# Altium PCB Dust1_Motherboard_STM32WBA5MMG.PcbDoc (part 1 of 2) (continued)
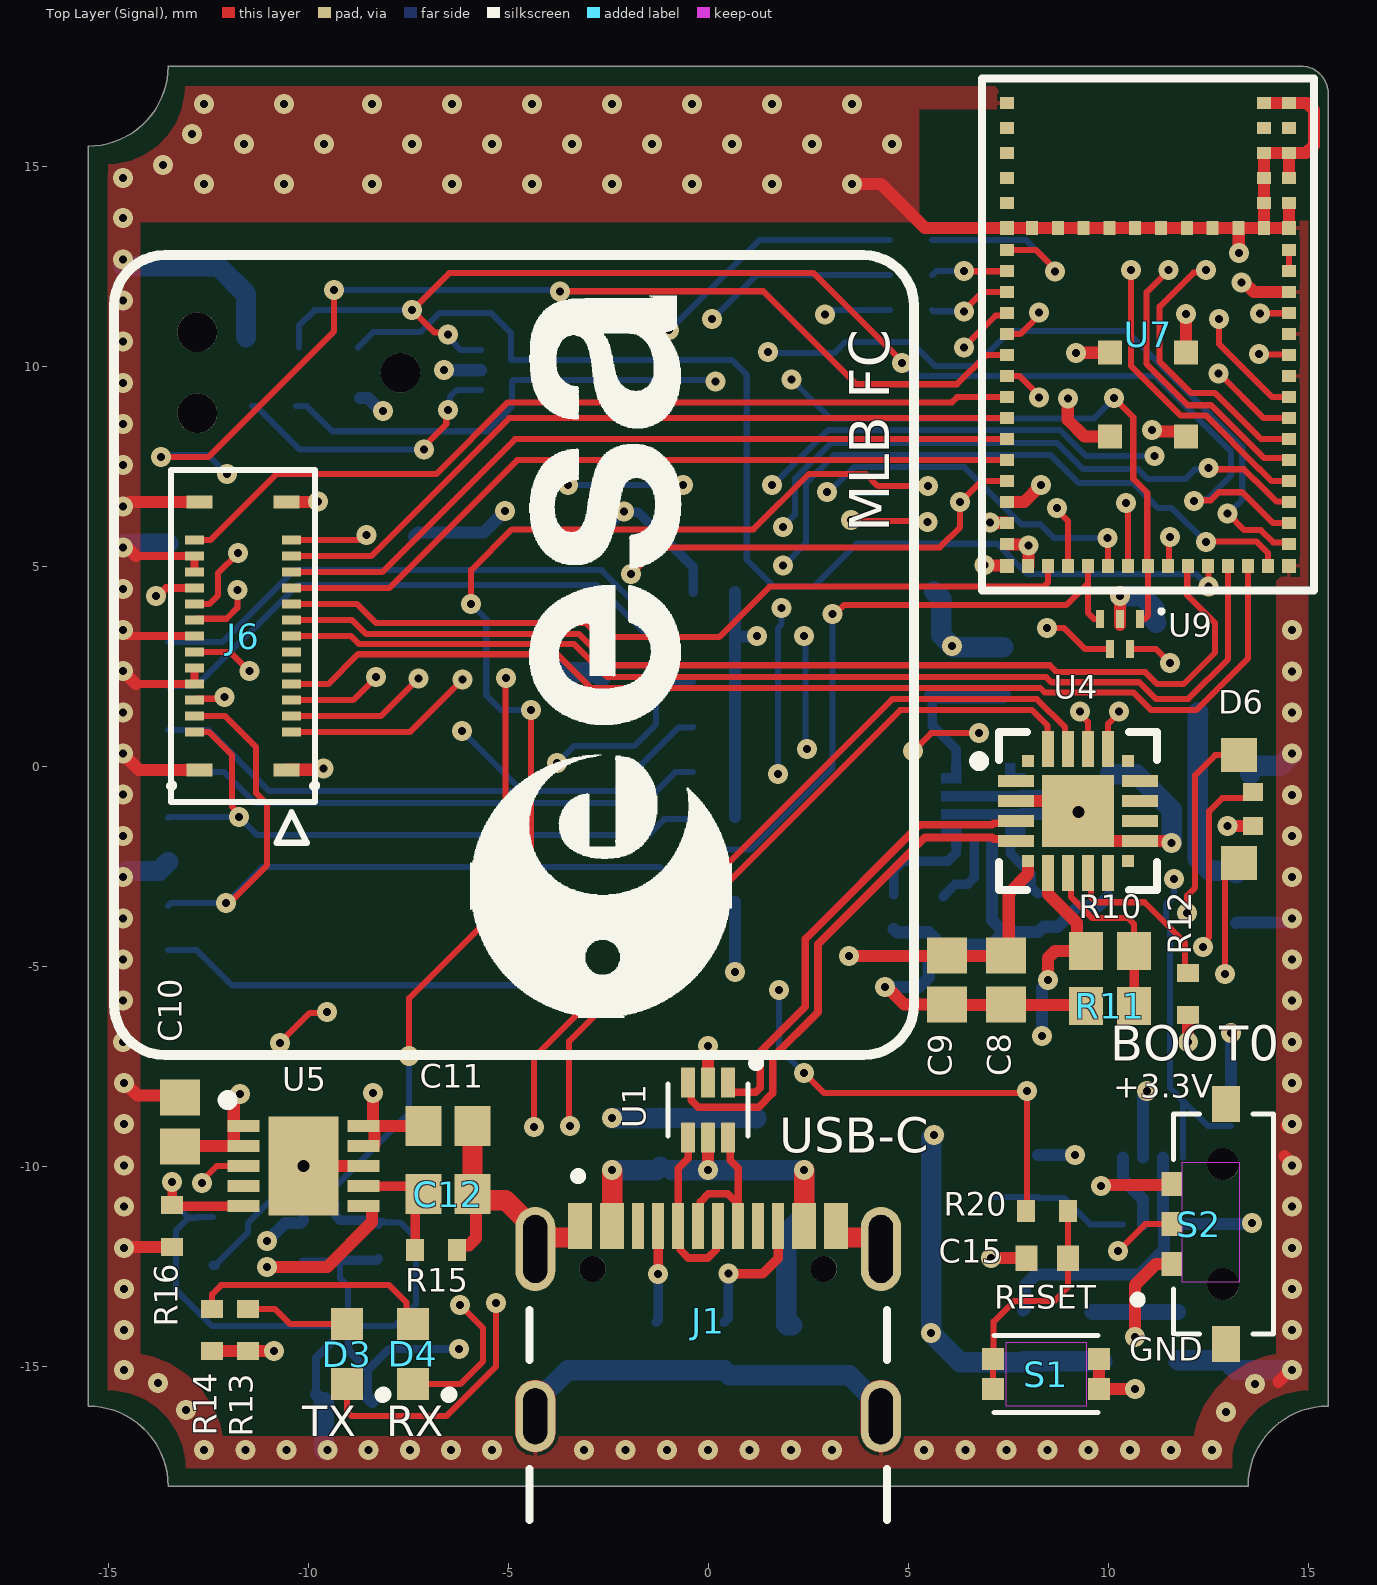
[diagram p0: Top Layer (Signal) view]
## Layer stack, top to bottom (continued)

## Board outline
-15.5,-16 -15.5,15.5 ccw(c-15.5,17.5) -13.5,17.5 14.817,17.5 cw(c14.817,16.817) 15.5,16.817 15.5,-16 ccw(c15.5,-18) 13.5,-18 -13.5,-18 ccw(c-15.5,-18)

## Design rules (kind name [scope] priority, off if disabled: settings)
BoardOutlineClearance [All] p1: gap=0.2 ignorepadtopadclearanceinfootprint=FALSE
Clearance [All] p1: gap=0.102 ignorepadtopadclearanceinfootprint=TRUE except(0.127: Arc-Via Track-Via SMDPad-Via THPad-Via Via-Via Via-Fill Via-Poly Via-Region Via-Text; 0.254: Arc-Hole Track-Hole SMDPad-Hole THPad-Hole Via-Hole Fill-Hole Poly-Hole Region-Hole Text-Hole)
ComponentClearance [All] p1: gap=0.089 collisioncheckmode=3 verticalgap=0.089 showdistances=TRUE
DiffPairsRouting DiffPairsRouting_1 [InDifferentialPairClass('USB')] p1: maxlimit=0.254 minlimit=0.127 mostfreqgap=0.254 toplayer_maxgap=0.127 toplayer_prefgap=0.127 toplayer_minwidth=0.192 toplayer_maxwidth=0.192 toplayer_prefwidth=0.192 bottomlayer_maxgap=0.127 bottomlayer_prefgap=0.127 bottomlayer_minwidth=0.192 bottomlayer_maxwidth=0.192 bottomlayer_prefwidth=0.192 impedanceprofiledriven=TRUE impedanceprofileid={B65A39AC-BC31-41D4-9D03-A3EBA3E43C95} impedanceprofilevalue=90.000000 maxuncoupledlength=12.7
DiffPairsRouting [All] p2: maxlimit=0.089 minlimit=0.089 mostfreqgap=0.089 toplayer_minwidth=0.089 toplayer_maxwidth=25.4 toplayer_prefwidth=0.089 midlayer1_minwidth=0.089 midlayer1_maxwidth=25.4 midlayer1_prefwidth=0.089 midlayer2_minwidth=0.089 midlayer2_maxwidth=25.4 midlayer2_prefwidth=0.089 midlayer3_minwidth=0.089 midlayer3_maxwidth=25.4 midlayer3_prefwidth=0.089 midlayer4_minwidth=0.089 midlayer4_maxwidth=25.4 midlayer4_prefwidth=0.089 bottomlayer_minwidth=0.089 bottomlayer_maxwidth=25.4 bottomlayer_prefwidth=0.089 maxuncoupledlength=12.7
Height [All] p1: minheight=0 maxheight=1816.048 prefheight=12.7
HoleSize [All] p1: absolutevalues=TRUE maxlimit=6.3 minlimit=0.2 maxpercent=80.000 minpercent=20.000
HoleToHoleClearance [All] p1: gap=0.254 allowstackedmicrovias=FALSE
MinimumAnnularRing [All] p1: minimumring=0.15
MinimumSolderMaskSliver [All] p1: minsoldermaskwidth=0.152
PlaneClearance [All] p1: clearance=0.089
PlaneConnect PlaneConnectPowerPads [InPadClass('PowerPads')] p1: planeconnectstyle=Direct reliefexpansion=0.508 reliefentries=4 reliefconductorwidth=0.254 reliefairgap=0.254
PlaneConnect [All] p2: pad.planeconnectstyle=Relief pad.reliefexpansion=0.3 pad.reliefentries=4 pad.reliefconductorwidth=0.089 pad.reliefairgap=0.089 via.planeconnectstyle=Direct via.reliefexpansion=0.3 via.reliefentries=4 via.reliefconductorwidth=0.127 via.reliefairgap=0.127
PolygonConnect PolygonConnectPowerPads [All vs (InPadClass('PowerPads'))] p1: connectstyle=Direct reliefconductorwidth=0.254 reliefentries=4 polygonreliefangle="90 Angle" airgapwidth=0.254
PolygonConnect [All] p2: thpad.connectstyle=Relief thpad.reliefconductorwidth=0.089 thpad.reliefentries=4 thpad.polygonreliefangle="90 Angle" thpad.airgapwidth=0.089 smdpad.connectstyle=Relief smdpad.reliefconductorwidth=0.089 smdpad.reliefentries=4 smdpad.polygonreliefangle="90 Angle" smdpad.airgapwidth=0.089 via.connectstyle=Direct via.reliefconductorwidth=0.127 via.reliefentries=4 via.polygonreliefangle="90 Angle" via.airgapwidth=0.127
RoutingVias [All] p1: holewidth=0.2 width=0.45 viastyle="Through Hole" minholewidth=0.2 minwidth=0.45 maxholewidth=6.3 maxwidth=6.55
SilkToSilkClearance [All] p1: silktosilkclearance=0.127
SilkToSolderMaskClearance [IsPad] p1: minsilkscreentomaskgap=0.127 clearancetoexposedcopper=TRUE
SolderMaskExpansion [All] p1: expansion=0.051 istentingtop=FALSE
SupplyNets "Schematic Supply Nets_6" [InNet('+5V_MUX')] p1: voltage=0.000
SupplyNets "Schematic Supply Nets_5" [InNet('+5V_USB')] p2: voltage=0.000
SupplyNets "Schematic Supply Nets_4" [InNet('GND')] p3: voltage=0.000
SupplyNets "Schematic Supply Nets_3" [InNet('+3.3V_Sensor')] p4: voltage=0.000
SupplyNets "Schematic Supply Nets_2" [InNet('+5V EXT')] p5: voltage=0.000
SupplyNets "Schematic Supply Nets_1" [InNet('+5V EXT_1')] p6: voltage=0.000
SupplyNets "Schematic Supply Nets" [InNet('+3.3V_Layer')] p7: voltage=0.000
UnRoutedNet [All] p1: checkbadconnections=TRUE
Width Power_12mil [InNetClass('Power')] p1: maxlimit=25.4 minlimit=0.305 preferedwidth=0.305 minimp=50.000000 maximp=50.000000 favimp=50.000000
Width Power_20mil [InNetClass('Power')] p2: maxlimit=25.4 minlimit=0.508 preferedwidth=0.508 minimp=50.000000 maximp=50.000000 favimp=50.000000
Width Width_6mil [InNetClass('Signal')] p3: maxlimit=25.4 minlimit=0.152 preferedwidth=0.152 minimp=50.000000 maximp=50.000000 favimp=50.000000
Width Width_3.5mil [InNetClass('Power')] p4: maxlimit=25.4 minlimit=0.089 preferedwidth=0.089 minimp=50.000000 maximp=50.000000 favimp=50.000000
19 further rules are at their usual default settings.

## Classes and differential pairs
differential pair class USB: USB USB1
net class Signal: BOOT0 DCC_Counter DCC_SEL Enable_3.3V_Sensor HFb1 HFb2 ILIM LT3045_IOUT MUX_STATUS NetC5_1 NetC6_1 NetC7_1 NetC12_2 NetC14_1 NetC15_2 NetD3_1 NetD3_2 NetD4_1 NetD4_2 NetD6_1 NetD6_3 NetD6_4 NetJ1_A5 NetJ1_B5 NetJ4_1 NetJ4_4 NetJ4_8 NetJ6_5 NetJ6_6 NetR3_2 NetR5_1 NetR6_2 NetR10_2 NetR12_1 NetU4_17 NetU4_18 NetU7_50 NRST OUT_D OUT_N OUT_P RESET_ch_read RESET_DCC S0ck S1 S2 S3 S4 SD_CARD_DETECT SEL SPI3_CS_DT SPI3_CS_SD SPI3_MISO SPI3_MOSI SPI3_SCK SYS_JTCK-SWCLK SYS_JTDO_SWO SYS_JTMS-SWDIO TIM3_CH1 TIM3_CH2 TIM3_CH3
net class Power: +3.3V_Layer +3.3V_Sensor "+5V EXT" "+5V EXT_1" +5V_Filtered +5V_MUX +5V_USB GND
component class U_Dust1_MotherBoard_PWR: C1 C2 C3 C4 C5 C6 C7 C8 C9 C10 C11 C12 C13 C14 D1 D2 D3 D4 J1 J2 L1 R1 R2 R3 R4 R5 R6 R7 R8 R9 R10 R11 R12 R13 R14 R15 R16 R17 R18 R19 U1 U2 U3 U4 U5 U6
component class U_Dust1_Motherboard_Peripheral: J4 R24 R25 R26 R27 R28 R29 R30 R31 U9
component class U_Dust1_MotherBoard_MCU: C15 D6 J3 J? R20 R21 R22 R23 S1 S2 U7 U8
component class U_Dust1_Motherboard_BTB: J6
differential pair USB: +USB_P -USB_N
differential pair USB1: +USB1_P -USB1_N

## Components (designator, comment, footprint, x,y, rotation, side; value= is the part's Value field where it differs from the comment)
C1 "4.7µF" CAP_0603 -1.2,-9.4 r270 bottom
C2 "100nF" CAP_0603 1.2,-9.41 r270 bottom
C3 "4.7μF" CAP_0603 10,-3.875 r270 bottom
C4 "4.7μF" CAP_0603 5.035,4.375 r180 bottom
C5 "2.2nF" CAP_0402 8.25,-3.625 r270 bottom
C6 "2.2nF" CAP_0402 4.638,-3.64 r270 bottom
C7 "10µF" CAP_0603 9.6,-14.25 r270 bottom
C8 "4.7µF" CAP_0603 7.45,-5.35 r90 top
C9 "100nF" CAP_0603 5.975,-5.35 r90 top
C10 "4.7µF" CAP_0603 -13.2,-8.9 r270 top
C11 "10µF" CAP_0603 -6.5,-9 r0 top
C12 "4.7µF" CAP_0603 -6.5,-10.7 r180 top
C13 "4.7µF" CAP_0603 -9,-15.9 r0 bottom
C14 "3pF" CAP_0402 -8.15,-11.875 r90 bottom
C15 "2.2nF" CAP_0402 8.475,-12.3 r0 top
D1 "ESDA7P60-1U1M" TVS_ESDA7P60-1U1M 2.1,-14.6 r270 bottom
D2 "ESDA7P60-1U1M" TVS_ESDA7P60-1U1M 13.2,-3.3 r270 bottom
D3 "LTST-C190KRKT" LTST-C191KRKT_V -9.025,-14.7 r270 top
D4 "LTST-C190KRKT" LTST-C191KRKT_V -7.375,-14.7 r270 top
D6 "XZCCBDMEDGK161W" PCBComponent_1 13.392,-1.077 r0 top
J1 "USB4105GFA060" GCT_USB4105GFA060 0,-16.25 r0 top
J2 "BM02B-ACHSS-GAN-TF(LF)(SN)" JST_BM02B-ACHSS-GAN-TF(LF)(SN) 11.8,1.7 r180 bottom
J3 "TC2030-IDC-NL" TAG_TC2030-IDC-NL -10.23,9.835 r180 bottom
J4 "1040310811" 1040310811 -8.2,0 r90 bottom
J6 "5024262630" CON_5024262630_MOL -11.625,3.25 r90 top
L1 "10uH" IND_0603 7.875,-14.25 r270 bottom
R1 "5.1k" RES_0603 -1.3,-14.5 r270 bottom
R2 "5.1k" RES_0603 0.4,-14.5 r90 bottom
R3 "470kΩ" RES_0603 5,1.75 r0 bottom
R4 "274kΩ" RES_0603 7.375,2.375 r90 bottom
R5 "6.8kΩ" RES_0603 5.875,-3.86 r270 bottom
R6 "100k" RES_0402 7.125,-10.25 r270 bottom
R7 "100k" RES_0402 8.25,-10.25 r90 bottom
R8 "100k" RES_0402 13.075,-8.475 r90 bottom
R9 "2Ω" RES_0603 11.75,-14.25 r90 bottom
R10 "21k" RES_0603 10.05,-4.625 r0 top
R11 "47.5k" RES_0603 10.05,-6 r180 top
R12 "1k" RES_0402 12,-5.7 r270 top
R13 "1k" RES_0402 -11.5,-14.1 r270 top
R14 "1k" RES_0402 -12.4,-14.1 r270 top
R15 "33.2kΩ" RES_0402 -6.8,-12.1 r0 top
R16 "3kΩ" RES_0402 -13.4,-11.5 r270 top
R17 "90kΩ" RES_0402 -9.205,-11.875 r270 bottom
R18 "10kΩ" RES_0402 -10.125,-11.875 r90 bottom
R19 "0Ω" RES_0603 -12.375,-11.875 r270 bottom
R20 "330Ω" RES_0402 8.475,-11.125 r180 top
R21 "1kΩ" RES_0402 5.075,11.4 r180 bottom
R22 "1kΩ" RES_0402 5.075,12.275 r180 bottom
R23 "1kΩ" RES_0402 5.075,13.15 r180 bottom
R24 "100kΩ" RES_0402 0.15,3.225 r0 bottom
R25 "10Ω" RES_0402 0.15,-0.15 r0 bottom
R26 "100kΩ" RES_0402 0.15,-4.4 r0 bottom
R27 "100kΩ" RES_0402 0.15,4.35 r0 bottom
R28 "10kΩ" RES_0402 0.15,2.1 r180 bottom
R29 "0Ω DNP" RES_0402 0.15,-1.275 r180 bottom
R30 "10kΩ" RES_0402 0.15,-3.35 r180 bottom
R31 "10kΩ" RES_0402 0.15,0.975 r180 bottom
S1 "EVP-BB2A9B000" SW_EVP-BB2A9B000 8.45,-15.2 r180 top
S2 "SSAJ110100" SW_SSAJ110100 12.875,-11.45 r90 top
U1 "USBLC6-2P6" SOT50P160X60-6N 0,-8.6 r270 top
U2 "TPS2117DRLR" SOTFL50P160X60-8N 11.125,-10.625 r90 bottom
U3 "TPS25210ARPWR" TPS259460ARPWR_TEX 6.875,-0.975 r270 bottom
U4 "CP2102N-A02-GQFN20" FP-CP2102N-A02-GQFN20-MFG 9.25,-1.125 r0 top
U5 "LT3045IDD#PBF" SON50P300X300X80-11N-D -10.11,-10 r0 top
U6 "MAX44264EWT+T" BGA6C40P2X3_91X131X69 -9,-14.2 r270 bottom
U7 "STM32WBA5MMG" LGA76_stm32wba5mmg_C50P9X9_800X1250X137 11,10.79 r0 top
U8 "HSP053-4M5" HSP0534M5 -5.3,9.9 r90 bottom
U9 "HSP053-4M5" HSP0534M5 10.3,3.3 r180 top

## Footprints (in the part's own frame and the unit in brackets; to place one, negate y for a bottom-side part, rotate by r counter-clockwise, add the part's x,y. Pads: shape width x height; smd on the part's side, far side on the other; paste and mask are expansions set on the pad)
1040310811 [mm]
  rect 0.85x1.1 smd: 1(3.105,-5.3) 2(2.005,-5.3) 3(0.905,-5.3) 4(-0.195,-5.3) 5(-1.295,-5.3) 6(-2.395,-5.3) 7(-3.495,-5.3)
  rect 0.75x1.1 smd: 8(-4.595,-5.3)
  rect 1.2x1 smd: CD1(5.74,4.55) CD2(5.74,0.85)
  rect 1.55x1.35 smd: G1(5.565,-5.3)
  rect 1.17x1.8 smd: G2(-5.755,-5.3)
  rect 1.9x1.35 smd: G3(-3.73,5.525) G4(2.24,5.525)
  silkscreen extent -6,-6.5 5.97,5.85, body extent -5.97,-5.7 5.98,5.7, height 1.42
BGA6C40P2X3_91X131X69 [mm]
  round 0.216 smd: A1(-0.2,0.4) A2(0.2,0.4) B1(-0.2,0) B2(0.2,0) C1(-0.2,-0.4) C2(0.2,-0.4)
  silkscreen extent -0.85,0.9 -0.65,1.1, body extent -0.45,-0.66 0.45,0.66, height 0.69
CAP_0402 [mm] "Chip Capacitor, 2-Leads, Body 1.00x0.50mm, IPC Medium Density"
  rect 0.55x0.64 smd: 1(-0.52,0) 2(0.52,0)
  body extent -0.53,-0.28 0.53,0.28, height 0.4
CAP_0603 [mm] "Chip Capacitor, 2-Leads, Body 1.55x0.85mm, IPC Medium Density"
  rect 0.9x1 smd: 1(-0.61,0) 2(0.61,0)
  body extent -0.82,-0.48 0.82,0.48, height 0.5
CON_5024262630_MOL [mm]
  rect 0.22x0.475 smd paste+0 mask+0.025: 1(-2.4,-1.212) 2(-2,-1.212) 3(-1.6,-1.212) 4(-1.2,-1.212) 5(-0.8,-1.212) 6(-0.4,-1.212) 7(0,-1.212) 8(0.4,-1.212) 9(0.8,-1.212) 10(1.2,-1.212) 11(1.6,-1.212) 12(2,-1.212) 13(2.4,-1.212) 14(-2.4,1.212) 15(-2,1.212) 16(-1.6,1.212) 17(-1.2,1.212) 18(-0.8,1.212) 19(-0.4,1.212) 20(0,1.212) 21(0.4,1.212) 22(0.8,1.212) 23(1.2,1.212) 24(1.6,1.212) 25(2,1.212) 26(2.4,1.212)
  rect 0.32x0.65 smd paste+0 mask+0.025: P1(-3.35,1.085) P2(3.35,1.085) P3(-3.35,-1.085) P4(3.35,-1.085)
  silkscreen extent -5.17,-1.8 4.15,1.8, body extent -4.15,-2 4.15,2, height 0.98
FP-CP2102N-A02-GQFN20-MFG [mm]
  rect 0.3x0.3 smd paste+0 mask+0: 1(-1.25,1.25) 6(-1.25,-1.25) 11(1.25,-1.25) 16(1.25,1.25)
  rect 0.9x0.3 smd paste+0 mask+0: 2(-1.55,0.75) 3(-1.55,0.25) 4(-1.55,-0.25) 5(-1.55,-0.75) 12(1.55,-0.75) 13(1.55,-0.25) 14(1.55,0.25) 15(1.55,0.75)
  rect 0.3x0.9 smd paste+0 mask+0: 7(-0.75,-1.55) 8(-0.25,-1.55) 9(0.25,-1.55) 10(0.75,-1.55) 17(0.75,1.55) 18(0.25,1.55) 19(-0.25,1.55) 20(-0.75,1.55)
  rect 1.8x1.8 smd paste-1000 mask+0: 21(0,0)
  silkscreen extent -2.6,-1.97 1.97,1.97, body extent -2.1,-2.1 2.1,2.1, height 0.25
GCT_USB4105GFA060 [mm]
  rect 0.6x1.15 smd: A1_B12(-3.2,4.755) A4_B9(-2.4,4.755) B1_A12(3.2,4.755) B4_A9(2.4,4.755)
  rect 0.3x1.15 smd: A5(-1.25,4.755) A6(-0.25,4.755) A7(0.25,4.755) A8(1.25,4.755) B5(1.75,4.755) B6(0.75,4.755) B7(-0.75,4.755) B8(-1.75,4.755)
  oval 1x2.1 hole 0.6 slot 1.7 at 90 deg: SH1(-4.32,4.18) SH2(4.32,4.18)
  oval 1x1.8 hole 0.6 slot 1.4 at 90 deg mask+0: SH3(-4.32,0) SH4(4.32,0)
  round 0.65 hole 0.65 unplated: ""(-2.89,3.68) ""(2.89,3.68)
  Top Layer (Signal) region: -4.294,0.899 -4.268,0.897 -4.242,0.894 -4.216,0.889 -4.191,0.883 -4.165,0.876 -4.141,0.867 -4.117,0.857 -4.093,0.846 -4.07,0.833 -4.048,0.819 -4.026,0.805 -4.005,0.789 -3.985,0.772 -3.966,0.754 -3.948,0.735 -3.931,0.715 -3.915,0.694 -3.901,0.672 -3.887,0.65 -3.874,0.627 -3.863,0.603 -3.853,0.579 -3.844,0.555 -3.837,0.529 -3.831,0.504 -3.826,0.478 -3.823,0.452 -3.821,0.426 -3.82,0.4 -3.82,0 -3.82,-0.4 -3.821,-0.426 -3.823,-0.452 -3.826,-0.478 -3.831,-0.504 -3.837,-0.529 -3.844,-0.555 -3.853,-0.579 -3.863,-0.603 -3.874,-0.627 -3.887,-0.65 -3.901,-0.672 -3.915,-0.694 -3.931,-0.715 -3.948,-0.735 -3.966,-0.754 -3.985,-0.772 -4.005,-0.789 -4.026,-0.805 -4.048,-0.819 -4.07,-0.833 -4.093,-0.846 -4.117,-0.857 -4.141,-0.867 -4.165,-0.876 -4.191,-0.883 -4.216,-0.889 -4.242,-0.894 -4.268,-0.897 -4.294,-0.899 -4.32,-0.9 -4.346,-0.899 -4.372,-0.897 -4.398,-0.894 -4.424,-0.889 -4.449,-0.883 -4.475,-0.876 -4.499,-0.867 -4.523,-0.857 -4.547,-0.846 -4.57,-0.833 -4.592,-0.819 -4.614,-0.805 -4.635,-0.789 -4.655,-0.772 -4.674,-0.754 -4.692,-0.735 -4.709,-0.715 -4.725,-0.694 -4.739,-0.672 -4.753,-0.65 -4.766,-0.627 -4.777,-0.603 -4.787,-0.579 -4.796,-0.555 -4.803,-0.529 -4.809,-0.504 -4.814,-0.478 -4.817,-0.452 -4.819,-0.426 -4.82,-0.4 -4.82,0 -4.82,0.4 -4.819,0.426 -4.817,0.452 -4.814,0.478 -4.809,0.504 -4.803,0.529 -4.796,0.555 -4.787,0.579 -4.777,0.603 -4.766,0.627 -4.753,0.65 -4.739,0.672 -4.725,0.694 -4.709,0.715 -4.692,0.735 -4.674,0.754 -4.655,0.772 -4.635,0.789 -4.614,0.805 -4.592,0.819 -4.57,0.833 -4.547,0.846 -4.523,0.857 -4.499,0.867 -4.475,0.876 -4.449,0.883 -4.424,0.889 -4.398,0.894 -4.372,0.897 -4.346,0.899 -4.32,0.9
  Top Layer (Signal) region: 4.346,0.899 4.372,0.897 4.398,0.894 4.424,0.889 4.449,0.883 4.475,0.876 4.499,0.867 4.523,0.857 4.547,0.846 4.57,0.833 4.592,0.819 4.614,0.805 4.635,0.789 4.655,0.772 4.674,0.754 4.692,0.735 4.709,0.715 4.725,0.694 4.739,0.672 4.753,0.65 4.766,0.627 4.777,0.603 4.787,0.579 4.796,0.555 4.803,0.529 4.809,0.504 4.814,0.478 4.817,0.452 4.819,0.426 4.82,0.4 4.82,0 4.82,-0.4 4.819,-0.426 4.817,-0.452 4.814,-0.478 4.809,-0.504 4.803,-0.529 4.796,-0.555 4.787,-0.579 4.777,-0.603 4.766,-0.627 4.753,-0.65 4.739,-0.672 4.725,-0.694 4.709,-0.715 4.692,-0.735 4.674,-0.754 4.655,-0.772 4.635,-0.789 4.614,-0.805 4.592,-0.819 4.57,-0.833 4.547,-0.846 4.523,-0.857 4.499,-0.867 4.475,-0.876 4.449,-0.883 4.424,-0.889 4.398,-0.894 4.372,-0.897 4.346,-0.899 4.32,-0.9 4.294,-0.899 4.268,-0.897 4.242,-0.894 4.216,-0.889 4.191,-0.883 4.165,-0.876 4.141,-0.867 4.117,-0.857 4.093,-0.846 4.07,-0.833 4.048,-0.819 4.026,-0.805 4.005,-0.789 3.985,-0.772 3.966,-0.754 3.948,-0.735 3.931,-0.715 3.915,-0.694 3.901,-0.672 3.887,-0.65 3.874,-0.627 3.863,-0.603 3.853,-0.579 3.844,-0.555 3.837,-0.529 3.831,-0.504 3.826,-0.478 3.823,-0.452 3.821,-0.426 3.82,-0.4 3.82,0 3.82,0.4 3.821,0.426 3.823,0.452 3.826,0.478 3.831,0.504 3.837,0.529 3.844,0.555 3.853,0.579 3.863,0.603 3.874,0.627 3.887,0.65 3.901,0.672 3.915,0.694 3.931,0.715 3.948,0.735 3.966,0.754 3.985,0.772 4.005,0.789 4.026,0.805 4.048,0.819 4.07,0.833 4.093,0.846 4.117,0.857 4.141,0.867 4.165,0.876 4.191,0.883 4.216,0.889 4.242,0.894 4.268,0.897 4.294,0.899 4.32,0.9
  Bottom Layer (Signal) region: -4.294,0.899 -4.268,0.897 -4.242,0.894 -4.216,0.889 -4.191,0.883 -4.165,0.876 -4.141,0.867 -4.117,0.857 -4.093,0.846 -4.07,0.833 -4.048,0.819 -4.026,0.805 -4.005,0.789 -3.985,0.772 -3.966,0.754 -3.948,0.735 -3.931,0.715 -3.915,0.694 -3.901,0.672 -3.887,0.65 -3.874,0.627 -3.863,0.603 -3.853,0.579 -3.844,0.555 -3.837,0.529 -3.831,0.504 -3.826,0.478 -3.823,0.452 -3.821,0.426 -3.82,0.4 -3.82,0 -3.82,-0.4 -3.821,-0.426 -3.823,-0.452 -3.826,-0.478 -3.831,-0.504 -3.837,-0.529 -3.844,-0.555 -3.853,-0.579 -3.863,-0.603 -3.874,-0.627 -3.887,-0.65 -3.901,-0.672 -3.915,-0.694 -3.931,-0.715 -3.948,-0.735 -3.966,-0.754 -3.985,-0.772 -4.005,-0.789 -4.026,-0.805 -4.048,-0.819 -4.07,-0.833 -4.093,-0.846 -4.117,-0.857 -4.141,-0.867 -4.165,-0.876 -4.191,-0.883 -4.216,-0.889 -4.242,-0.894 -4.268,-0.897 -4.294,-0.899 -4.32,-0.9 -4.346,-0.899 -4.372,-0.897 -4.398,-0.894 -4.424,-0.889 -4.449,-0.883 -4.475,-0.876 -4.499,-0.867 -4.523,-0.857 -4.547,-0.846 -4.57,-0.833 -4.592,-0.819 -4.614,-0.805 -4.635,-0.789 -4.655,-0.772 -4.674,-0.754 -4.692,-0.735 -4.709,-0.715 -4.725,-0.694 -4.739,-0.672 -4.753,-0.65 -4.766,-0.627 -4.777,-0.603 -4.787,-0.579 -4.796,-0.555 -4.803,-0.529 -4.809,-0.504 -4.814,-0.478 -4.817,-0.452 -4.819,-0.426 -4.82,-0.4 -4.82,0 -4.82,0.4 -4.819,0.426 -4.817,0.452 -4.814,0.478 -4.809,0.504 -4.803,0.529 -4.796,0.555 -4.787,0.579 -4.777,0.603 -4.766,0.627 -4.753,0.65 -4.739,0.672 -4.725,0.694 -4.709,0.715 -4.692,0.735 -4.674,0.754 -4.655,0.772 -4.635,0.789 -4.614,0.805 -4.592,0.819 -4.57,0.833 -4.547,0.846 -4.523,0.857 -4.499,0.867 -4.475,0.876 -4.449,0.883 -4.424,0.889 -4.398,0.894 -4.372,0.897 -4.346,0.899 -4.32,0.9
  Bottom Layer (Signal) region: 4.346,0.899 4.372,0.897 4.398,0.894 4.424,0.889 4.449,0.883 4.475,0.876 4.499,0.867 4.523,0.857 4.547,0.846 4.57,0.833 4.592,0.819 4.614,0.805 4.635,0.789 4.655,0.772 4.674,0.754 4.692,0.735 4.709,0.715 4.725,0.694 4.739,0.672 4.753,0.65 4.766,0.627 4.777,0.603 4.787,0.579 4.796,0.555 4.803,0.529 4.809,0.504 4.814,0.478 4.817,0.452 4.819,0.426 4.82,0.4 4.82,0 4.82,-0.4 4.819,-0.426 4.817,-0.452 4.814,-0.478 4.809,-0.504 4.803,-0.529 4.796,-0.555 4.787,-0.579 4.777,-0.603 4.766,-0.627 4.753,-0.65 4.739,-0.672 4.725,-0.694 4.709,-0.715 4.692,-0.735 4.674,-0.754 4.655,-0.772 4.635,-0.789 4.614,-0.805 4.592,-0.819 4.57,-0.833 4.547,-0.846 4.523,-0.857 4.499,-0.867 4.475,-0.876 4.449,-0.883 4.424,-0.889 4.398,-0.894 4.372,-0.897 4.346,-0.899 4.32,-0.9 4.294,-0.899 4.268,-0.897 4.242,-0.894 4.216,-0.889 4.191,-0.883 4.165,-0.876 4.141,-0.867 4.117,-0.857 4.093,-0.846 4.07,-0.833 4.048,-0.819 4.026,-0.805 4.005,-0.789 3.985,-0.772 3.966,-0.754 3.948,-0.735 3.931,-0.715 3.915,-0.694 3.901,-0.672 3.887,-0.65 3.874,-0.627 3.863,-0.603 3.853,-0.579 3.844,-0.555 3.837,-0.529 3.831,-0.504 3.826,-0.478 3.823,-0.452 3.821,-0.426 3.82,-0.4 3.82,0 3.82,0.4 3.821,0.426 3.823,0.452 3.826,0.478 3.831,0.504 3.837,0.529 3.844,0.555 3.853,0.579 3.863,0.603 3.874,0.627 3.887,0.65 3.901,0.672 3.915,0.694 3.931,0.715 3.948,0.735 3.966,0.754 3.985,0.772 4.005,0.789 4.026,0.805 4.048,0.819 4.07,0.833 4.093,0.846 4.117,0.857 4.141,0.867 4.165,0.876 4.191,0.883 4.216,0.889 4.242,0.894 4.268,0.897 4.294,0.899 4.32,0.9
  silkscreen extent -4.47,-2.6 4.47,6.1, body extent -4.47,-2.6 4.47,5.11, height 3.31
HSP0534M5 [mm]
  rect 0.2x0.45 smd: 1(-0.5,-0.375) 2(0,-0.375) 3(0.5,-0.375) 4(0.25,0.375) 5(-0.25,0.375)
  silkscreen extent -1.08,-0.62 -0.98,-0.52, body extent -0.65,-0.58 0.65,0.58, height 0.5
IND_0603 [mm] "Chip Inductor, 2-Leads, Body 1.55x0.85mm, IPC Medium Density"
  rect 0.83x0.99 smd: 1(-0.64,0) 2(0.64,0)
  body extent -0.82,-0.48 0.82,0.48, height 0.5
JST_BM02B-ACHSS-GAN-TF(LF)(SN) [mm]
  rect 0.6x0.85 smd: 1(-0.6,1.887) 2(0.6,1.887)
  rect 0.7x0.8 smd: S1(-1.75,-1.887) S2(1.75,-1.887)
  silkscreen extent -2.1,-2.15 2.1,2.7, body extent -2.1,-2.15 2.1,2.15, height 1.45
LGA76_stm32wba5mmg_C50P9X9_800X1250X137 [mm] "LGA, 76-Leads, Body 8.00x12.50mmx1.37mm, Pitch 0.50mm"
  rect 0.35x0.3 smd mask+0.04: 1(-3.525,5.785) 2(-3.525,5.16) 3(-3.525,4.535) 4(-3.525,3.91) 5(-3.525,3.285) 7(-3.525,2.11) 8(-3.525,1.585) 9(-3.525,1.06) 10(-3.525,0.535) 11(-3.525,0.01) 12(-3.525,-0.515) 13(-3.525,-1.04) 14(-3.525,-1.565) 15(-3.525,-2.09) 16(-3.525,-2.615) 17(-3.525,-3.14) 18(-3.525,-3.665) 19(-3.525,-4.19) 20(-3.525,-4.715) 21(-3.525,-5.24) 37(3.525,-5.24) 38(3.525,-4.715) 39(3.525,-4.19) 40(3.525,-3.665) 41(3.525,-3.14) 42(3.525,-2.615) 43(3.525,-2.09) 44(3.525,-1.565) 45(3.525,-1.04) 46(3.525,-0.515) 47(3.525,0.01) 48(3.525,0.535) 49(3.525,1.06) 50(3.525,1.585) 51(3.525,2.11) 53(3.525,3.285) 54(3.525,3.91) 55(3.525,4.535) 56(3.525,5.16) 57(3.525,5.785) 58(2.9,5.785) 59(2.9,5.16) 60(2.9,4.535) 61(2.9,3.91) 62(2.9,3.285)
  rect 0.35x0.35 smd mask+0.04: 6(-3.525,2.66) 22(-3.525,-5.79) 36(3.525,-5.79) 52(3.525,2.66)
  rect 0.3x0.35 smd mask+0.04: 23(-3,-5.79) 24(-2.5,-5.79) 25(-2,-5.79) 26(-1.5,-5.79) 27(-1,-5.79) 28(-0.5,-5.79) 29(0,-5.79) 30(0.5,-5.79) 31(1,-5.79) 32(1.5,-5.79) 33(2,-5.79) 34(2.5,-5.79) 35(3,-5.79) 63(2.9,2.66) 64(2.256,2.66) 65(1.611,2.66) 66(0.967,2.66) 67(0.322,2.66) 68(-0.322,2.66) 69(-0.967,2.66) 70(-1.611,2.66) 71(-2.256,2.66) 72(-2.9,2.66)
  rect 0.6x0.6 smd mask+0.04: 73(-0.95,-0.45) 74(-0.95,-2.55) 75(0.95,-2.55) 76(0.95,-0.45)
  silkscreen extent -4.15,-6.4 4.15,6.4, body extent -4,-6.25 4,6.25, height 1.41
LTST-C191KRKT_V [mm] "SMD, 2-Leads, Body 1.6x0.8mm"
  rect 0.8x0.8 smd: 1(-0.75,0) 2(0.75,0)
  silkscreen extent 1.01,0.89 1.02,0.91, body extent -0.8,-0.4 0.8,0.4, height 0.9
PCBComponent_1 [mm]
  rect 0.9x0.85 smd: 1(-0.117,-1.348) 4(-0.117,1.352)
  rect 0.5x0.45 smd: 2(0.233,-0.423) 3(0.233,0.427)
RES_0402 [mm] "Chip Resistor, 2-Leads, Body 1.00x0.50mm, IPC Medium Density"
  rect 0.45x0.55 smd: 1(-0.525,0) 2(0.525,0)
  body extent -0.5,-0.25 0.5,0.25, height 0.3
RES_0603 [mm] "Chip Resistor, 2-Leads, Body 1.55x0.85mm, IPC Medium Density"
  rect 0.85x0.95 smd: 1(-0.6,0) 2(0.6,0)
  body extent -0.82,-0.48 0.82,0.48, height 0.5
SON50P300X300X80-11N-D [mm]
  rect 0.8x0.3 smd: 1(-1.5,1) 2(-1.5,0.5) 3(-1.5,0) 4(-1.5,-0.5) 5(-1.5,-1) 6(1.5,-1) 7(1.5,-0.5) 8(1.5,0) 9(1.5,0.5) 10(1.5,1)
  rect 1.75x2.48 smd: 11(0,0)
  silkscreen extent -2.02,1.53 -1.77,1.77, body extent -1.55,-1.5 1.55,1.5, height 0.8
SOT50P160X60-6N [mm]
  rrect8% 0.75x0.35 smd: 1(-0.69,0.5) 2(-0.69,0) 3(-0.69,-0.5) 4(0.69,-0.5) 5(0.69,0) 6(0.69,0.5)
  silkscreen extent -1.27,-1 0.65,1.3, body extent -0.8,-0.8 0.8,0.8, height 0.6
SOTFL50P160X60-8N [mm]
  rect 0.475x0.3 smd: 1(-0.838,0.75) 2(-0.838,0.25) 3(-0.838,-0.25) 4(-0.838,-0.75) 5(0.838,-0.75) 6(0.838,-0.25) 7(0.838,0.25) 8(0.838,0.75)
  silkscreen extent -0.81,-1.05 0.25,1.58, body extent -0.8,-1.05 0.8,1.05, height 0.6
SW_EVP-BB2A9B000 [mm]
  rect 0.55x0.55 smd paste-0.05: A1(-1.325,0.375) A2(-1.325,-0.375) B1(1.325,0.375) B2(1.325,-0.375)
  Top Layer (Signal) keep-out region: 1,-0.802 -1.002,-0.802 -1.002,0.8 1,0.8
  silkscreen extent -1.3,-0.96 1.3,0.96, body extent -1.5,-0.9 1.5,0.9, height 0.63
SW_SSAJ110100 [mm]
  rect 0.6x0.51 smd: 1(-1,1.28) 2(1,1.28) C(0,1.28)
  rect 0.9x0.7 smd: S1(3,-0.075) S2(-3,-0.075)
  round 0.8 hole 0.8 unplated: ""(-1.5,0) ""(1.5,0)
  Top Layer (Signal) keep-out region: 1.55,-0.4 -1.453,-0.4 -1.453,1.025 1.55,1.025
  silkscreen extent -2.75,-1.25 2.75,2.23, body extent -3.25,-2.55 3.25,1.43, height 0.7
TAG_TC2030-IDC-NL [mil]
  round 30.98 smd paste-39.37: 1(-50,-25) 2(-50,25) 3(0,-25) 4(0,25) 5(50,-25) 6(50,25)
  round 39.02 hole 39.02 unplated: ""(-100,0) ""(100,-40) ""(100,40)
  Top Layer (Signal) keep-out region: 50,-16.73 -50.06,-16.73 -50.06,16.73 50,16.73
  silkscreen extent -135,-80 135,75
TPS259460ARPWR_TEX [mil]
  rect 5x5 smd paste-2.5 mask-2.5: 1(-37.49,26.57) 4(-37.49,-26.57) 5(-8.86,-37.49) 6(8.86,-37.49) 7(37.49,-26.57) 10(37.49,26.57)
  rect 31.68x9.81 smd paste+0 mask+0: 2(-37.49,8.86) 3(-37.49,-8.86) 8(37.49,-8.86) 9(37.49,8.86)
  Top Layer (Signal) region: -13.76,-41.34 -13.76,41.34 -3.95,41.34 -3.95,-41.34
  Top Layer (Signal) region: 3.95,-41.34 3.95,41.34 13.76,41.34 13.76,-41.34
  Top Layer (Signal) region: -31.48,31.46 -41.34,31.46 -41.34,21.65 -21.67,21.65 -21.67,41.32 -31.48,41.32
  Top Layer (Signal) region: 41.34,21.65 41.34,21.65 41.34,31.46 31.48,31.46 31.48,41.32 21.67,41.32 21.67,21.65
  Top Layer (Signal) region: -31.48,-31.46 -31.48,-41.34 -21.67,-41.32 -21.67,-21.65 -41.34,-21.65 -41.34,-31.46
  Top Layer (Signal) region: 31.48,-31.46 31.48,-41.32 21.67,-41.32 21.67,-21.65 41.34,-21.65 41.34,-31.46
  silkscreen extent -62,57 -58,61, body extent -39,-39 40,40, height 39
TVS_ESDA7P60-1U1M [mm]
  rect 0.55x0.8 smd: 1(-0.625,0) 2(0.625,0)
  silkscreen extent -1.6,-0.5 0.03,0.5, body extent -0.8,-0.5 0.8,0.5, height 0.6

## Part data
C1 C2 C3 C4 C7 C8 C9 C10 C11 C12 C13: library part CMP-001-00100-1, Design Item ID=CAP_0603, Source=CAP_0603.SchLib
C5 C6 C14 C15: library part CMP-001-00099-2, "Generic 0402 Capacitor", Design Item ID=CAP_0402, Source=CAP_0402.SchLib
D1 D2: library part CMP-004-00038-2, Case/Package=None, Availability=Unavailable, Component Type=Standard, Design Item ID=ESDA7P60-1U1M, MF="{'manufacturer': u'STMicroelectronics'}", MP=ESDA7P60-1U1M, Pins=2, Price=None, Source=ESDA7P60-1U1M.SchLib
D3 D4: library part CMP-007-00024-2, "LED Uni-Color Red, 62.5 mW, 25 mA, -30 to 85 degC, 2-Pin SMD, RoHS, Tape and Reel", Case/Package=0603, Colour=Red, Forward Current=20mA, Forward Voltage=2V, Manufacturer=Lite-On, Max Operating Temperature=85°C, Min Operating Temperature=-55°C, Package Description="2-Pin Surface Mount Device, Body 1.6 x 0.8 mm", Package Quantity=3000, Package Reference=C191KRKT, Power=75mW, Datasheet URL=http://optoelectronics.liteon.com/upload/download/DS-22-99-0151/S_110_LTST-C190KRKT.pdf, Datasheet Version="Rev. F, 05/2013", Illumination Colour=Red, Lens Style=Diffused, Luminous Intensity=54mcd, Manufacturer URL=http://www.us.liteon.com/, Mounting Technology=SM, Nominal Vf=2V, Packaging=TapeandReel, Pins=2, RoHS Compliant=True, Viewing Angle=130degrees
D6: library part CMP-007-00036-1, Design Item ID=XZCCBDMEDGK161W, Source=XZCCBDMEDGK161W.SchLib
J1: library part CMP-002-00087-2, "USB-C (USB TYPE-C) USB 2.0 Receptacle Connector 24 (16+8 Dummy) Position Surface Mount, Right Angle; Through Hole", Case/Package=None, Check_prices=https://www.snapeda.com/parts/USB4105GFA060/Global+Connector+Technology/view-part/?ref=eda, Component Type=Standard, Design Item ID=USB4105GFA060, MF="Global Connector Technology", MP=USB4105GFA060, Pins=16, SnapEDA_Link=https://www.snapeda.com/parts/USB4105GFA060/Global+Connector+Technology/view-part/?ref=snap, Source=USB4105GFA060.SchLib
J2: library part CMP-002-00091-1, "Connector Header Surface Mount, Right Angle 2 position 0.047 (1.20mm)", Case/Package=None, Check_prices=https://www.snapeda.com/parts/BM02B-ACHSS-GAN-TF(LF)(SN)/JST/view-part/?ref=eda, Component Type=Standard, Design Item ID=BM02B-ACHSS-GAN-TF(LF)(SN), MF="JST Sales", MP=BM02B-ACHSS-GAN-TF(LF)(SN), Pins=4, SnapEDA_Link=https://www.snapeda.com/parts/BM02B-ACHSS-GAN-TF(LF)(SN)/JST/view-part/?ref=snap, Source=BM02B-ACHSS-GAN-TF(LF)(SN).SchLib
J3: library part CMP-00019-5, "CABLE ADAPTER 6 POS", Package=None, Availability=Unavailable, Component Type=Standard, Design Item ID=TC2030-IDC-NL, MP=TC2030-IDC-NL, Pin Count=6, Price=None, Source=TC2030-IDC-NL.SchLib
J4: library part CMP-002-00092-2, "1.10mm Pitch microSD Memory Card Connector, Surface Mount, Push-Pull Type, 1.42mm Height, with Detect Switch", Manufacturer_Name=Molex, Arrow Part Number=1040310811, Arrow Price/Stock=https://www.arrow.com/en/products/1040310811/molex?utm_currency=USD&region=europe, Datasheet Link=https://www.molex.com/en-us/products/part-detail-pdf/1040310811?display=pdf, Design Item ID=1040310811, Geometry.Height=1.77mm, Manufacturer_Part_Number=1040310811, Source=1040310811.SchLib
J6: library part CMP-125-000000-4, "SlimStack Board-to-Board Receptacle, 0.40mm Pitch, Surface Mount, Dual Row, Vertical, 1.00mm Stacking Height, with Solder Tabs, with Vacuum Tape, 26 Circuits", Manufacturer_Name="Molex Connector Corporation", Copyright="Copyright (C) 2025 Ultra Librarian. All rights reserved.", Design Item ID=5024262630, Manufacturer_Part_Number=5024262630, RefDes=RefDes, Source=5024262630.SchLib, Type=Type
L1: library part CMP-006-00026-1, "Generic 0603 Inductor", Design Item ID=IND_0603, Source=IND_0603.SchLib
R1 R2 R3 R4 R5 R9 R10 R11 R19: library part CMP-009-00186-1, Design Item ID=RES_0603, Source=RES_0603.SchLib
R6 R7 R8 R12 R13 R14 R15 R16 R17 R18 R20 R21 R22 R23 R24 R25 R26 R27 R28 R29 R30 R31: library part CMP-009-00192-1, "Resistor SMD 0402 Generic", Design Item ID=RES_0402, Source=RES_0402.SchLib
S1: library part CMP-011-00022-2, "Tactile Switch SPST-NO Top Actuated Surface Mount", Case/Package=None, Check_prices=https://www.snapeda.com/parts/EVP-BB2A9B000/Panasonic+Electronic+Components/view-part/?ref=eda, Component Type=Standard, Design Item ID=EVP-BB2A9B000, MF="Panasonic Electronic Components", MP=EVP-BB2A9B000, Pins=4, SnapEDA_Link=https://www.snapeda.com/parts/EVP-BB2A9B000/Panasonic+Electronic+Components/view-part/?ref=snap, Source=EVP-BB2A9B000.SchLib
S2: library part CMP-011-00025-3, "Slide Switch â€¢ Rating (max.): 10 mA 5 VDC â€¢ Poles: 1 â€¢ Positions: 2 â€¢ Travel : 1.4 mm â€¢ Operating direction: Horizontal", Case/Package=None, Availability="In Stock", Check_prices=https://www.snapeda.com/parts/SSAJ110100/ALPS/view-part/?ref=eda, Component Type=Standard, Design Item ID=SSAJ110100, MF=ALPS, MP=SSAJ110100, Pins=3, Price=None, Purchase-URL=https://pricing.snapeda.com/search/part/SSAJ110100/?ref=eda, SnapEDA_Link=https://www.snapeda.com/parts/SSAJ110100/ALPS/view-part/?ref=snap, Source=SSAJ110100.SchLib
U1: library part CMP-004-00037-4, "17V Clamp 5A (8/20Âµs) Ipp Tvs Diode Surface Mount SOT-666", Case/Package="SOT-666 STMicroelectronics", Check_prices=https://www.snapeda.com/parts/USBLC6-2P6/STMicroelectronics/view-part/?ref=eda, Component Type=Standard, Design Item ID=USBLC6-2P6, MF=STMicroelectronics, MP=USBLC6-2P6, Pins=6, SnapEDA_Link=https://www.snapeda.com/parts/USBLC6-2P6/STMicroelectronics/view-part/?ref=snap, Source=USBLC6-2P6.SchLib
U2: library part CMP-011-00021-5, "Power Switch ICs - Power Distribution 1.6-V to 5.5-V, 20-m?, 4-A low IQ power multiplexer with manual and priority switchover 8-SOT-5X3 -40 to 125", Manufacturer_Name="Texas Instruments", Mouser Part Number=595-TPS2117DRLR, Datasheet Link=https://www.ti.com/lit/ds/symlink/tps2117.pdf?ts=1704705133749&ref_url=https%253A%252F%252Fwww.ti.com%252Fproduct%252FTPS2117, Design Item ID=TPS2117DRLR, Geometry.Height=0.6mm, Manufacturer_Part_Number=TPS2117DRLR, Mouser Price/Stock=https://www.mouser.co.uk/ProductDetail/Texas-Instruments/TPS2117DRLR?qs=HoCaDK9Nz5c%2FKe5lpCPPWQ%3D%3D, Source=TPS2117DRLR.SchLib
U3: library part CMP-122-000000-5, "2.7-V to 5.7-V, 31-mâ„", Manufacturer_Name="Texas Instruments", Copyright="Copyright (C) 2025 Ultra Librarian. All rights reserved.", Design Item ID=TPS25210ARPWR, Manufacturer_Part_Number=TPS25210ARPWR, RefDes=RefDes, Source=TPS25210ARPWR.SchLib, Type=Type
U4: library part CMP-08093-000006-1, "IC USB TO UART BRIDGE QFN20"
U5: library part CMP-111-000001-2, "Linear Technology LT3045IDD#PBF, LDO Regulator, 500mA Adjustable, 0  15 V, +/-1% 10-Pin, DFN", Manufacturer_Name="Analog Devices", Mouser Part Number=584-LT3045IDD#PBF, Arrow Part Number=LT3045IDD#PBF, Arrow Price/Stock=https://www.arrow.com/en/products/lt3045iddpbf/analog-devices?utm_currency=USD&region=nac, Datasheet Link=https://www.analog.com/media/en/technical-documentation/data-sheets/3045fa.pdf, Design Item ID=LT3045IDD#PBF, Geometry.Height=0.8mm, Manufacturer_Part_Number=LT3045IDD#PBF, Mouser Price/Stock=https://www.mouser.co.uk/ProductDetail/Analog-Devices/LT3045IDDPBF?qs=oahfZPh6IAL0HQTYgxXgGA%3D%3D, Source=LT3045IDD#PBF.SchLib
U6: library part CMP-014-00013-4, "MAXIM INTEGRATED PRODUCTS - MAX44264EWT+T - Operational Amplifier, RRIO, 1 Amplifier, 9 kHz, 2 V/ms, 1.8V to 5.5V, WLP, 6 Pins", Manufacturer_Name="Analog Devices", Mouser Part Number=700-MAX44264EWT+T, Datasheet Link=http://datasheets.maximintegrated.com/en/ds/MAX44264.pdf, Design Item ID=MAX44264EWT+T, Geometry.Height=0.69mm, Manufacturer_Part_Number=MAX44264EWT+T, Mouser Price/Stock=https://www.mouser.co.uk/ProductDetail/Analog-Devices-Maxim-Integrated/MAX44264EWT%2bT?qs=tT6YvvQkxsyLGbMOGQ483A%3D%3D, Source=MAX44264EWT+T.SchLib
U7: library part CMP-00014-5, "Bluetooth LE and IEEE 802.15.4 radio module"
U8 U9: library part CMP-004-00039-6, "Clamp Ipp Tvs Diode Surface Mount 5-uQFN (1.3x0.8)", Manufacturer_Name=STMicroelectronics, Mouser Part Number=511-HSP053-4M5, Datasheet Link=https://www.st.com/resource/en/datasheet/hsp051-4m5.pdf, Design Item ID=HSP053-4M5, Geometry.Height=0.4mm, Manufacturer_Part_Number=HSP053-4M5, Mouser Price/Stock=https://www.mouser.co.uk/ProductDetail/STMicroelectronics/HSP053-4M5?qs=lYGu3FyN48c0CphNYEE2iw%3D%3D, Source=HSP053-4M5.SchLib

## Via types
v1: diameter 0.5, hole 0.2, Top Layer (Signal) to Bottom Layer (Signal), tented both sides, 251 vias
v2: diameter 0.7, hole 0.3, Top Layer (Signal) to Bottom Layer (Signal), tented bottom, 2 vias
v3: diameter 0.5, hole 0.2, Top Layer (Signal) to Bottom Layer (Signal), tented bottom, 1 vias

## Nets (pads, with @x,y where several pads share a name; then routed paths per layer and width w, separated by ;. In a path a pad name is that pad's centre, name@x,y a point inside that pad or via, vN(x,y) a via of type N, cw(c..) or ccw(c..) an arc to the next point about the centre after c; other vN are vias at no path point)
+3.3V_Layer: C8.2 C9.2 C13.2 D6.2 J3.1 R8.2 R12.2 R13.2 R14.2 R24.2 R25.2 R26.2 R27.2 R28.1 R29.1 R30.1 R31.1 S2.2 U4.6 U6.B2 U7.20 U7.22 | length 26.1
  Top Layer (Signal) w0.305: R14.2@-12.4,-14.625 R13.2@-11.5,-14.625 v1(-10.85,-14.625) ; v1@3.525,-4.75 C9.2@6.225,-4.75 ; C9.2@6.225,-4.75 C8.2@7.2,-4.75 ; v1(6.904,5.025) 6.916,5.012 7.463,5.012 U7.22@7.475,5 ; v1(7.041,6.09) 7.048,6.082 7.468,6.082 U7.20@7.475,6.075 ; C8.2@7.325,-4.74 7.515,-4.55 7.515,-3.185 8,-2.7 U4.6@8,-2.375 ; v1(9.825,-10.5) 9.85,-10.475 11.57,-10.475 S2.2@11.595,-10.45 ; v1(12,-6.9) R12.2@12,-6.225 ; v1(12.979,-1.5) D6.2@13.625,-1.5
  Bottom Layer (Signal) w0.2: U6.B2@-8.987,-14.413 -8.987,-14.613 -8.5,-15.1 ; C13.2@-8.5,-15.79 -8.5,-15.1 ; v1(-6.225,-14.575) -7.975,-14.575 -8.5,-15.1
  Bottom Layer (Signal) w0.305: J3.1@-8.7,9.2 -8.503,9.2 -8.178,8.875 v1(-8.125,8.875) ; C13.2@-8.5,-15.79 C13.2@-8.39,-15.9 ; v1(0.675,-5.15) R26.2@0.675,-4.4 R30.1@0.675,-3.4 ; R29.1@0.675,-1.275 R25.2@0.675,-0.15 R31.1@0.675,0.975 R28.1@0.675,2.1 R24.2@0.675,3.225 ; R27.2@0.675,4.35 R24.2@0.675,3.225 ; v1(1.221,3.254) 1.206,3.24 0.689,3.24 R24.2@0.675,3.225 ; R8.2@13.075,-7.95 v1(13.075,-6.675)
  other v1: 3.525,-4.75
+3.3V_Sensor: C11.1 J6.23 U5.9 U5.10 | length 18.7
  Top Layer (Signal) w0.2: v1@-13.747,4.25 -13.547,4.45 J6.23@-12.838,4.45
  Top Layer (Signal) w0.305: v1(-13.8,4.25) v1@-13.747,4.25 ; U5.9@-8.61,-9.5 -8.373,-9.5 -8.342,-9.469 -8.342,-9 C11.1@-7.11,-9 ; U5.10@-8.61,-9 -8.425,-9 -8.375,-8.95 v1(-8.375,-8.175)
  Layer 2 (Signal) w0.305: v1(-13.8,4.25) -13.8,-2.75 v1(-8.375,-8.175)
"+5V EXT": C4.2 D2.1 J2.1 R3.1 U3.5 | length 5.6
  Bottom Layer (Signal) w0.305: U3.5@7.827,-0.75 8.692,-0.75
  Bottom Layer (Signal) w0.508: 12.25,1.35 12.242,1.342 12.242,-2.317 12.538,-2.613 13.138,-2.613 D2.1@13.2,-2.675
"+5V EXT_1": C3.2 R6.1 U2.3 U2.5 U3.6 | length 2.6
  Bottom Layer (Signal) w0.305: U3.6@7.827,-1.2 8.45,-1.2 8.5,-1.25 ; U2.5@10.375,-9.787 10.375,-10.337 10.875,-10.837 U2.3@10.875,-11.463
+5V_Filtered: C7.2 C10.2 L1.2 R10.1 U4.7 U5.1 U5.2 U5.6 | length 53.1
  Top Layer (Signal) w0.305: C10.2@-13.2,-9.51 -13.19,-9.5 U5.2@-11.86,-9.5 ; v1(-11.7,-8.2) -11.7,-8.244 -11.86,-8.404 U5.1@-11.86,-9 ; U5.2@-11.61,-9.5 U5.2@-11.86,-9.5 ; U5.1@-11.61,-9 U5.1@-11.86,-9 ; v1(-11.025,-12.522) -9.522,-12.522 -8.4,-11.4 -8.4,-11.033 -8.433,-11 U5.6@-8.61,-11 ; v1(8.5,-5.35) 8.5,-4.794 8.669,-4.625 9.313,-4.625 R10.1@9.45,-4.625 9.219,-4.394 9.219,-3.919 8.5,-3.2 U4.7@8.5,-2.675 ; U5.2@-11.86,-9.5 U5.1@-11.86,-9
  Layer 2 (Signal) w0.305: v1(5.65,-9.225) 8.094,-6.781 8.319,-6.781 v1(8.35,-6.75)
  Layer 2 (Signal) w0.508: v1(-11.7,-8.2) -12,-8.5 -12,-13.225 ; v1(-11.025,-12.522) -11.297,-12.522 -12,-13.225 ; v1(5.575,-14.175) -4.275,-14.175 -6.35,-16.25 -11.375,-16.25 -12,-15.625 -12,-13.225
  Bottom Layer (Signal) w0.305: v1(8.35,-6.75) 8.35,-5.544 8.5,-5.394 v1(8.5,-5.35)
  Bottom Layer (Signal) w0.508: v1(5.65,-9.225) 5.575,-9.3 v1(5.575,-14.175) 6.3,-14.9 7.865,-14.9 L1.2@7.875,-14.89 7.89,-14.875 C7.2@9.86,-14.875
+5V_MUX: L1.1 U2.2 U2.7 | length 6.8
  Bottom Layer (Signal) w0.305: L1.1@7.875,-13.61 7.919,-13.566 7.919,-12.981 8.194,-12.706 10.794,-12.706 11.4,-12.1 11.4,-11.488 U2.2@11.375,-11.463 U2.7@11.375,-9.787
+5V_USB: C1.2 C2.2 D1.1 J1.A4_B9 J1.B4_A9 U1.5 U2.6 | length 23.4
  Top Layer (Signal) w0.305: v1(0,-10.1) U1.5@0,-9.29
  Top Layer (Signal) w0.508: J1.A4_B9@-2.4,-11.495 v3(-2.4,-10.1) ; J1.B4_A9@2.4,-11.495 v1(2.4,-10.1)
  Layer 2 (Signal) w0.508: v1(2.4,-10.1) 7.575,-10.1 9.55,-8.125 v1(10.975,-8.125)
  Bottom Layer (Signal) w0.305: U2.6@10.875,-9.787 10.875,-8.269 10.975,-8.169 v1(10.975,-8.125)
  Bottom Layer (Signal) w0.508: v3(-2.4,-10.1) -1.29,-10.1 C1.2@-1.2,-10.01 ; C1.2@-0.9,-10.1 v1(0,-10.1) 1.2,-10.1 v1(2.4,-10.1) 2.4,-11.225 1.95,-11.675 1.95,-13.656 1.954,-13.66 1.954,-13.954 1.975,-13.975 D1.1@2.1,-13.975
BOOT0: S2.C U7.46 | length 30.4
  Top Layer (Signal) w0.152: v1(10.25,-12.125) 10.925,-11.45 S2.C@11.595,-11.45 ; v1(13.775,10.3) 13.788,10.287 14.512,10.287 U7.46@14.525,10.275
  Layer 2 (Signal) w0.152: v1(10.25,-12.125) 11.805,-13.68 13.177,-13.68 14.071,-12.787 14.071,7.662 13.775,7.958 v1(13.775,10.3)
  Bottom Layer (Signal) w0.152: v1(13.775,10.3) v1@13.787,10.288
DCC_Counter: J6.3 U7.30 | length 27.8
  Top Layer (Signal) w0.152: J6.3@-10.413,1.65 -8.875,1.65 v1(-8.3,2.225) ; U7.30@11.5,5 11.526,5.026 11.526,5.701 v1(11.552,5.727)
  Layer 2 (Signal) w0.152: v1(-8.3,2.225) -7.075,3.45 -5.125,3.45 -3.009,5.566 0.516,5.566 1.031,6.081 1.6,6.65 v1(1.6,7.025) ; v1(11.156,7.756) 11.156,7.689 11.552,7.294 11.552,5.728 v1(11.552,5.727)
  Bottom Layer (Signal) w0.152: v1(1.6,7.025) 1.618,7.025 2.999,8.406 8.794,8.406 9.444,7.756 v1(11.156,7.756)
DCC_SEL: J6.7 U7.33 | length 26.8
  Top Layer (Signal) w0.152: J6.7@-10.413,3.25 -8.925,3.25 -8.725,3.05 -3.35,3.05 -2.531,2.231 8.444,2.231 8.579,2.096 10.779,2.096 11.193,1.682 12.007,1.682 13,2.675 U7.33@13,5
Enable_3.3V_Sensor: U5.3 U7.43 | length 48.5
  Top Layer (Signal) w0.152: v1(-12.65,-10.425) -12.65,-10.36 -12.29,-10 U5.3@-11.61,-10 ; v1(-10.706,-6.919) -9.956,-6.169 -9.556,-6.169 v1(-9.531,-6.144) ; v1(12.759,9.819) 12.772,9.819 13.891,8.7 U7.43@14.525,8.7
  Layer 2 (Signal) w0.152: v1(-12.65,-10.425) -12.654,-10.421 -12.654,-8.406 -11.167,-6.919 v1(-10.706,-6.919) ; v1(-9.531,-6.144) 12.931,-6.144 13.517,-5.558 13.517,7.201 12.774,7.944 12.774,9.805 v1(12.759,9.819)